# KiCad board KB-PCB-R02_KiCad.kicad_pcb (continued)
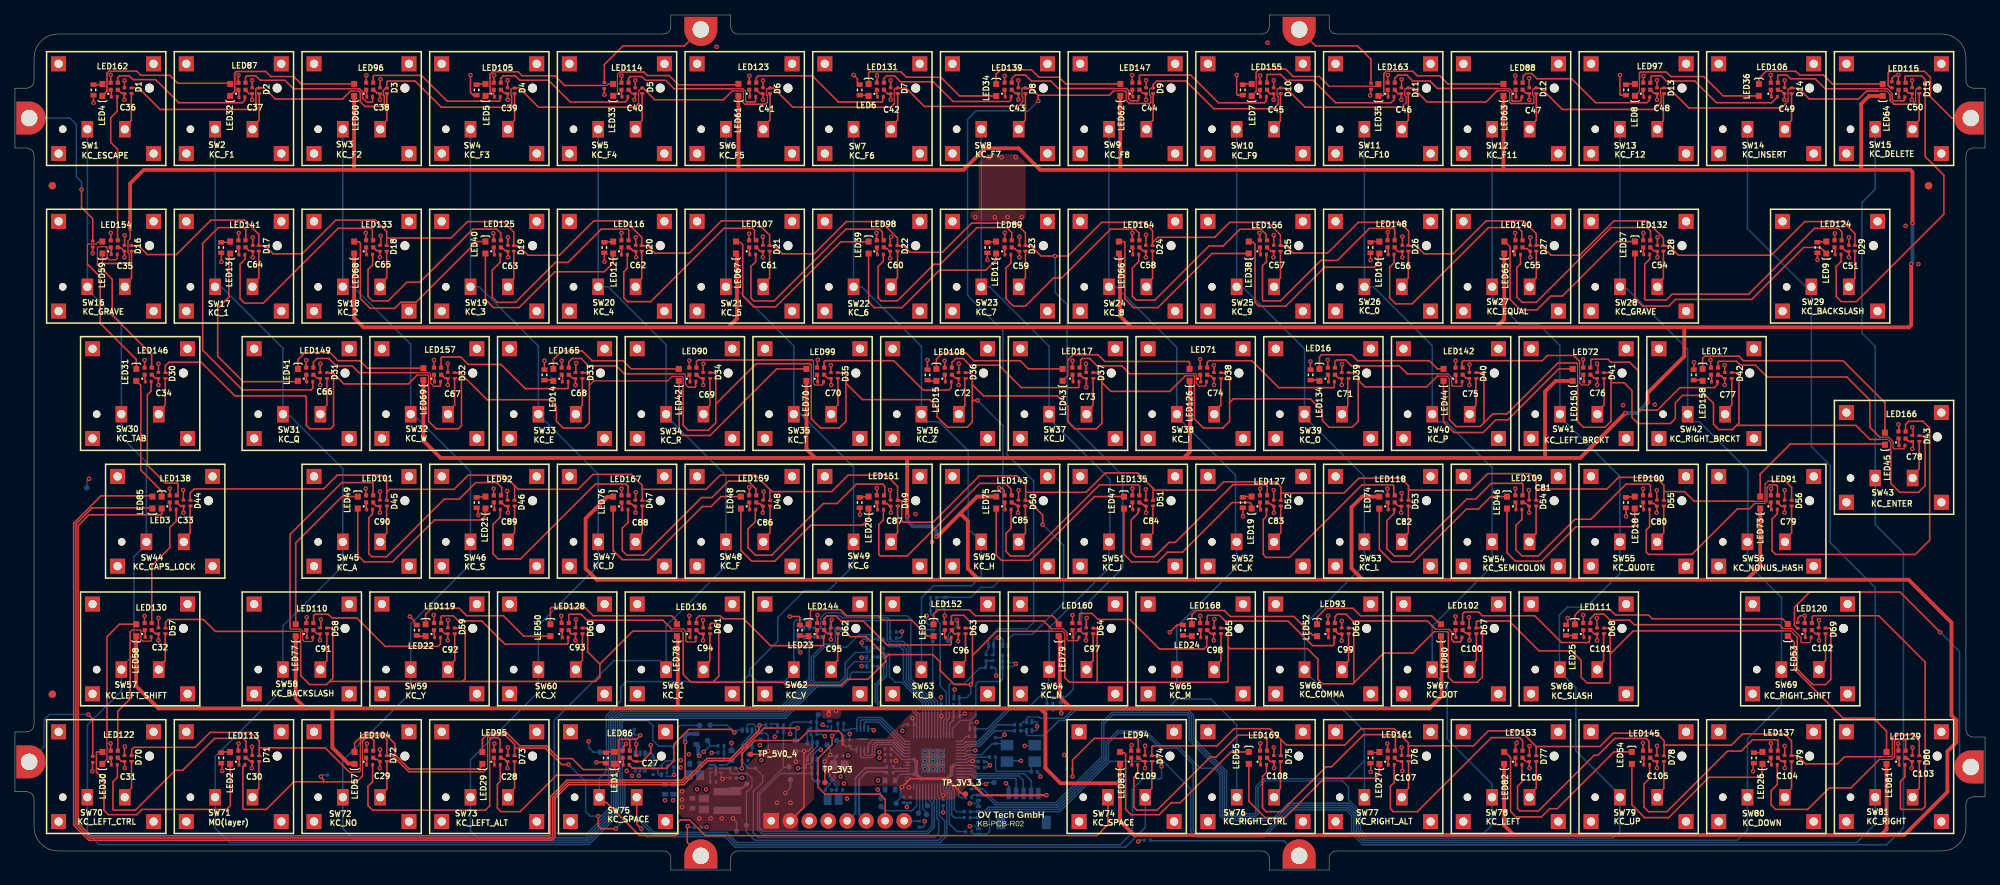
[diagram p0: board, top side]
## Routing (per net, layer and track width the routed paths; a pad name or vN(x,y) marks a point on that pad's centre or on a via; arc(x,y) is an arc through that point) (continued)
NetD82_1: length 216.5
  SIG_BOTTOM w0.2: SW2.1 SW17.1 26.86,77.89 27.72,77.89 35.83,69.77 SW31.1 36.08,60.71 36.79,60.71 43.83,53.67 SW45.1 43.83,40.66 35.83,32.66 SW58.1 35.83,24.24 26.76,15.17 SW71.1 26.76,5.63 28.69,3.71 76.6,3.71 80.96,8.07 80.96,11.74 80.57,12.13 80.57,20.05 81.12,20.61 102.91,20.61 107.13,24.83 110.41,24.83 111.31,25.72 111.31,26.91 112.26,27.87 114.17,27.87 114.6,28.29 D82.1 114.63,28.47 R148.1
NetD83_1: length 200.2
  SIG_BOTTOM w0.2: 115.36,29.65 D83.1 114.6,29.5 114.2,29.1 112.4,29.1 111,27.71 111,25.84 110.29,25.13 107.01,25.13 102.78,20.91 81,20.91 80.27,20.18 80.27,12.01 80.66,11.62 80.66,8.19 76.47,4.01 45.4,4.01 43.83,5.57 SW72.1 43.83,14.64 52.91,23.71 SW59.1 52.91,32.91 60.91,40.91 SW46.1 60.91,53.3 53.86,60.34 53.52,60.34 SW32.1 52.91,70.3 45.22,77.99 SW18.1 SW3.1
NetD84_1: length 184.7
  SIG_BOTTOM w0.2: SW4.1 SW19.1 62.08,77.99 69.98,70.08 69.98,60.68 70.65,60.01 70.93,60.01 77.98,52.96 SW47.1 77.98,40.72 69.98,32.72 SW60.1 69.98,23.8 60.91,14.73 SW73.1 60.91,5.24 61.84,4.31 76.35,4.31 80.36,8.32 80.36,11.49 79.97,11.89 79.97,20.3 80.87,21.21 102.66,21.21 106.8,25.35 106.8,28.41 108.19,29.81 111.2,29.81 112.85,31.46 114.38,31.46 114.5,31.34 114.5,30.98 D84.1 ; 114.61,30.87 R150.1
NetD85_1: length 177.1
  SIG_BOTTOM w0.2: 109.73,32.07 R151.1 ; 87.05,27.25 86.94,27.25 86.38,27.81 86.38,27.89 86.26,28.01 80.1,28.01 72.1,20.01 72.1,5.31 72.7,4.71 76.32,4.71 80.06,8.44 80.06,11.37 79.67,11.76 79.67,20.43 80.75,21.51 102.54,21.51 106.48,25.45 106.48,28.52 108.17,30.21 109.48,30.21 109.69,30.42 D85.1 ; 87.05,27.25 SW61.1 ; 87.05,27.25 87.05,32.66 95.05,40.66 SW48.1 95.05,52.75 87.85,59.96 87.73,59.96 87.05,60.63 SW34.1 87.05,70.25 79.32,77.99 SW20.1 SW5.1
NetD86_1: length 217.1
  SIG_TOP w0.2: SW75.1 78.13,9.71 78.8,9.03 79.09,9.03 83.51,4.61 88.35,4.61 88.62,4.88 88.62,6.33 89,6.71 90.2,6.71 92.3,4.61 144.66,4.61 146.13,6.08 SW74.1
  SIG_BOTTOM w0.2: 98.23,26.18 97.26,25.21 81.7,25.21 81,24.51 81,22.61 79.07,20.68 79.07,13.18 78.13,12.24 SW75.1 ; 98.23,26.18 99.18,25.22 102.92,25.22 103.45,25.76 103.45,26.14 SW62.1 104.13,33.09 104.49,33.46 106.07,33.46 106.18,33.34 D86.1 R152.1 ; 98.23,26.18 98.23,26.84 102,30.61 102,33.81 105.52,37.33 108.72,37.33 112.13,40.73 SW49.1 112.13,53.88 105.08,60.92 104.16,60.92 SW35.1 104.13,70.08 96.22,77.99 SW21.1 SW6.1
NetD87_1: length 91
  SIG_BOTTOM w0.2: 121.2,31.61 SW63.1 121.2,26.53 121.87,25.86 ; 121.2,31.61 121.71,32.12 D87.1 122.71,32.12 R153.1 ; 121.2,31.61 121.2,36.41 122.8,38.01 127.9,38.01 129.2,39.31 SW50.1 127.43,45.65 127.43,56.08 123.56,59.96 121.87,59.96 121.2,60.63 SW36.1 121.2,70.01 113.22,77.99 SW22.1 SW7.1
NetD88_1: length 98.9
  SIG_BOTTOM w0.2: R154.1 128.37,17.93 128.37,18.87 D88.1 130,18.89 132.81,21.71 135.5,21.71 138.2,24.41 138.2,26.74 SW64.1 138.27,32.38 146.27,40.38 SW51.1 ; SW8.1 SW23.1 130.32,77.99 138.27,70.03 SW37.1 138.93,60.3 138.93,59.72 146.41,52.24 146.41,43.92
NetD89_1: length 129
  SIG_BOTTOM w0.2: 155.35,22.85 159.92,22.85 163.35,19.42 SW76.1 ; 155.35,22.85 SW65.1 155.35,32.54 163.35,40.54 SW52.1 163.2,44.03 163.2,52.78 155.35,60.63 SW38.1 155.35,69.86 147.23,77.98 146.28,77.98 SW24.1 SW9.1 ; 155.35,22.85 154.15,21.66 141.63,21.66 140.28,20.31 137.1,20.31 136.94,20.46 135.44,20.46 135.32,20.35 135.32,19.9 D89.1 134.83,19.84 134.46,19.47 R155.1
NetD90_1: length 167.3
  SIG_BOTTOM w0.2: 180.42,14.64 178,12.22 166.99,12.22 165.9,11.13 165.9,7.62 165.78,7.51 162.12,7.51 162,7.62 162,13.21 157.6,17.61 157.6,20.71 156.95,21.36 141.75,21.36 140.4,20.01 139.6,20.01 137.58,17.99 135.38,17.99 135.26,18.1 D90.1 135.23,18.62 R156.1 ; 180.42,14.64 180.42,18.58 173.2,25.81 173.09,25.81 172.42,26.49 172.42,32.83 180.42,40.83 180.42,52.63 172.42,60.63 SW39.1 172.42,69.69 164.3,77.8 163.53,77.8 SW25.1 SW10.1 ; 180.42,14.64 SW77.1
NetD91_1: length 207.1
  SIG_BOTTOM w0.2: R157.1 127.88,10.84 128.81,10.84 D91.1 129.38,10.86 131.23,9.01 139.2,9.01 145.3,15.11 145.3,19.71 146.65,21.06 156.83,21.06 157.3,20.58 157.3,17.49 161.7,13.09 161.7,7.5 161.99,7.21 165.91,7.21 166.2,7.5 166.2,11.01 167.1,11.91 177.5,11.91 178.3,11.11 178.3,9.4 179.9,7.8 179.9,5.4 180.73,4.57 196.04,4.57 197.5,6.04 SW78.1 197.5,11.5 191.5,17.5 191.5,24.48 189.49,26.49 SW67.1 189.49,32.61 197.49,40.61 SW54.1 197.49,53.8 191.34,59.96 190.17,59.96 189.5,60.63 SW40.1 189.5,70.11 181.62,77.99 SW26.1 SW11.1
NetD92_1: length 220.8
  SIG_BOTTOM w0.2: 206.57,26.49 208.7,24.35 208.7,15.93 214.57,10.06 SW79.1 214.57,5.16 213.69,4.27 180.6,4.27 179.6,5.27 179.6,7.67 178.34,8.94 170.26,8.94 168.23,6.91 161.87,6.91 161.4,7.37 161.4,12.97 157,17.37 157,20.46 156.7,20.76 146.77,20.76 145.6,19.58 145.6,14.98 139.33,8.71 131.1,8.71 129.84,9.97 128.88,9.97 128.82,10.03 128.12,10.03 128,9.92 128,9.78 127.91,9.69 ; SW68.1 206.49,26.88 206.49,34.1 207.55,35.16 210.08,35.16 214.57,39.64 SW55.1 214.57,52.64 206.57,60.63 SW41.1 206.57,70.13 203.72,72.98 201.17,72.98 197.54,76.61 197.54,77.96 SW27.1 SW12.1
NetD93_1: length 228.2
  SIG_BOTTOM w0.2: R159.1 128.82,7.81 ; D93.1 129.57,7.82 130.16,8.41 139.45,8.41 145.9,14.86 145.9,17.11 147.4,18.61 151.22,18.61 153.22,16.61 155.5,16.61 158.48,13.62 160.32,13.62 161.1,12.84 161.1,7.25 161.74,6.61 168.35,6.61 170.39,8.64 178.21,8.64 179.3,7.55 179.3,5.15 180.48,3.97 230.27,3.97 231.64,5.35 SW80.1 231.64,17.55 236.18,22.09 SW69.1 236.18,36.42 231.64,40.96 SW56.1 231.68,43.92 231.68,53.49 225.22,59.96 224.32,59.96 223.64,60.63 SW42.1 223.64,69.62 215.55,77.72 214.85,77.72 SW28.1 SW13.1
NetD94_1: length 244
  SIG_BOTTOM w0.2: 127.9,7 D94.1 128.92,7.09 129.31,7.09 130.32,8.11 139.57,8.11 146.2,14.73 146.2,16.98 147.52,18.31 151.1,18.31 153.1,16.31 155.38,16.31 157.54,14.14 157.54,5.27 158.1,4.71 166.88,4.71 170.51,8.34 178.09,8.34 179,7.43 179,5.03 180.36,3.67 246.25,3.67 248.72,6.14 SW81.1 248.72,37.79 242.7,43.81 242.7,54.11 240.18,56.62 SW29.1 239.99,78.18 239.22,78.18 234.4,83.01 231.64,85.76 SW14.1
NetD95_1: length 240
  SIG_BOTTOM w0.2: SW15.1 248.72,91.02 246.95,89.26 246.95,71.8 248.72,70.03 SW43.1 248.72,46.19 252.5,42.41 252.5,5.64 250.23,3.37 180.23,3.37 178.7,4.9 178.7,7.3 177.96,8.04 170.64,8.04 167,4.41 157.98,4.41 157.2,5.18 157.2,10.85 153.5,14.54 146.43,14.54 139.7,7.81 130.44,7.81 130.29,7.65 130.29,5.12 129.96,4.79 D95.1 128.22,4.79 127.92,5.09 R161.1
NetLED1_1: length 22.4
  SIG_TOP w0.2: LED1.1 80.13,13.56 80.01,13.44 75.96,13.44 74.5,14.91 72.76,14.91 71.06,16.61 67.5,16.61 65.8,18.31 63.29,18.31 62.5,17.51 62.5,15.81
NetLED1_2: length 1.2
  SIG_TOP w0.2: 79,15.81 80.2,15.81
NetLED2_1: length 32.2
  SIG_TOP w0.2: 11.7,15.81 11.02,15.81 10.9,15.69 10.9,13.11 11.9,12.11 11.9,8.01 12.5,7.41 16.3,7.41 17,8.11 28.3,8.11 28.8,8.61 28.8,14.21
NetLED2_2: length 1.3
  SIG_TOP w0.2: 28.98,15.78 28.95,15.81 27.7,15.81
NetLED3_1: length 16.9
  SIG_TOP w0.2: LED31.2 16.82,64.81 16.82,53.47 19.62,50.68 LED3.1
NetLED3_2: length 147.5
  SIG_TOP w0.2: v1(89.6,17.11) 89.6,12.43 89.19,12.02 73.8,12.02 71.6,9.81 71.6,4.7 71.48,4.58 10.13,4.58 8.45,6.27 8.45,46.05 9.9,47.51 19.5,47.51 19.62,47.62 19.62,47.69 19.62,47.69 LED3.2
  SIG_BOTTOM w0.5: 89.6,17.13 89.6,17.91 89.89,18.21 R24.1
NetLED4_1: length 20.6
  SIG_TOP w0.2: 28.76,105.12 28.67,105.21 21.76,105.21 20.7,106.27 16.84,106.27 16.28,106.83 12.6,106.83 12.3,106.53 12.3,104.14 12,103.84 12,103.82 11.7,103.52
NetLED4_2: length 1.2
  SIG_TOP w0.2: R25.1 11.57,105.02 11.67,105.12
NetLED5_1: length 20.7
  SIG_TOP w0.15: 78.39,104.91 79.12,104.91 79.33,105.12
  SIG_TOP w0.2: 78.39,104.91 73.49,104.91 72.2,106.21 67.8,106.21 67.25,106.75 63.86,106.75 63.52,106.4 63.52,105.9 63.53,105.89 63.53,103.93 63.41,103.82 63.21,103.82 LED5.1 ; 79.33,105.12 LED33.2
NetLED5_2: length 1
  SIG_TOP w0.2: 61.9,105.11 62.8,105.11 62.9,105.21
NetLED6_1: length 20
  SIG_TOP w0.2: LED6.1 114.13,106.63 114.25,106.75 118.45,106.75 119.19,106.01 123.8,106.01 126.3,103.51 LED34.2
NetLED6_2: length 1.2
  SIG_TOP w0.2: LED6.2 114.03,103.62 R27.1
NetLED7_1: length 20.8
  SIG_TOP w0.15: 165.65,103.82 165.96,104.12 165.96,105.89 ; 182.15,104.96 182,104.81 175.7,104.81
  SIG_TOP w0.2: 165.95,105.9 165.95,105.9 165.95,106.65 166.4,107.11 169.9,107.11 170.9,106.11 174.4,106.11 175.7,104.81 ; LED7.1 165.65,103.82
NetLED7_2: length 1.1
  SIG_TOP w0.2: 164.2,105.11 165.2,105.11 165.3,105.21
NetLED8_1: length 20.7
  SIG_TOP w0.15: 217.2,105.9 217.2,104.12 LED8.1
  SIG_TOP w0.2: LED36.2 228.39,103.52 225.8,106.11 221.4,106.11 220.8,106.71 217.32,106.71 217.2,106.59 217.2,105.9
NetLED8_2: length 1.1
  SIG_TOP w0.2: 215.5,105.11 216.5,105.11 216.6,105.21
NetLED9_1: length 35.6
  SIG_TOP w0.2: LED9.1 241.38,83.25 239.14,83.25 232.2,76.31 222,76.31 221.1,75.41 217.6,75.41 216.6,76.41 LED37.2
NetLED9_2: length 1
  SIG_TOP w0.2: 241.95,84.11 241.85,84.01 240.99,84.01
NetLED10_1: length 29.3
  SIG_TOP w0.2: 182.27,82.59 182.27,81.12 181.76,80.61 175.1,80.61 169.9,75.41 166.3,75.41 165.8,75.91 165.8,83.69 165.54,83.94 165.06,83.94 LED38.2
NetLED10_2: length 1.1
  SIG_TOP w0.2: 182.27,84.04 181.34,84.04 R31.1
NetLED11_1: length 27.3
  SIG_TOP w0.2: 131.17,82.39 131.17,81.58 129.8,80.21 123.6,80.21 118.6,75.21 114.9,75.21 114.13,75.97 LED39.2
NetLED11_2: length 1.2
  SIG_TOP w0.2: 131.17,83.99 131.16,84.01 130.01,84.01
NetLED12_1: length 27.4
  SIG_TOP w0.2: LED12.1 79.98,81.19 78.8,80.01 72.2,80.01 67.4,75.21 64,75.21 62.91,76.3 LED40.2
NetLED12_2: length 1
  SIG_TOP w0.2: 78.8,84.01 79.7,84.01 79.8,84.11
NetLED13_1: length 26.6
  SIG_TOP w0.2: LED41.2 37.73,65.31 30.5,65.31 27.1,68.71 27.1,75.11 28.6,76.61 28.6,82.27 LED13.1
NetLED13_2: length 1.1
  SIG_TOP w0.2: 28.6,84.01 28.54,83.94 R34.1
NetLED14_1: length 19.5
  SIG_TOP w0.2: LED14.1 71.98,68.29 73.1,69.41 75.85,69.41 77.15,68.11 81.3,68.11 82.39,67.01 LED42.2
NetLED14_2: length 1.2
  SIG_TOP w0.2: R35.1 71.88,65.51 LED14.2
NetLED15_1: length 19.4
  SIG_TOP w0.2: LED15.1 123.2,68.31 124,69.11 127.2,69.11 128.2,68.11 134.4,68.11 135.49,67.01 LED43.2
NetLED15_2: length 1.2
  SIG_TOP w0.2: R36.1 122.11,65.41 LED15.2
NetLED16_1: length 19.3
  SIG_TOP w0.2: 191.2,67.01 190.19,67.01 189.1,68.11 179.5,68.11 178.7,68.91 174.7,68.91 174.42,68.63 LED16.1
NetLED16_2: length 1.2
  SIG_TOP w0.2: R37.1 174.32,65.51 LED16.2
NetLED17_1: length 32.5
  SIG_TOP w0.2: LED17.1 225.64,68.45 225.9,68.71 230.5,68.71 231.1,68.11 244.4,68.11 250.02,62.49 LED45.2
NetLED17_2: length 1.2
  SIG_TOP w0.2: LED17.2 225.54,65.51 R38.1
NetLED18_1: length 27.6
  SIG_TOP w0.2: LED18.1 216.57,46.21 216.26,45.91 208.7,45.91 204.1,41.31 200.6,41.31 199.49,42.41 LED46.2
NetLED18_2: length 1.1
  SIG_TOP w0.2: 215.4,49.91 216.41,49.91 216.49,49.99
NetLED19_1: length 27.5
  SIG_TOP w0.2: LED47.2 148.27,42.23 149.3,41.21 152.8,41.21 154.1,42.51 156.1,42.51 162.73,49.14 165.1,49.14 165.31,48.92 165.31,48.37 LED19.1
NetLED19_2: length 1.2
  SIG_TOP w0.2: LED19.2 164.26,49.94 R40.1
NetLED20_1: length 27.1
  SIG_TOP w0.2: LED48.2 97.05,42.75 98.5,41.31 101.6,41.31 106.4,46.11 113.3,46.11 114.2,47.01 114.2,48.27 LED20.1
NetLED20_2: length 1.2
  SIG_TOP w0.2: LED20.2 114.07,49.89 112.98,49.89
NetLED21_1: length 27.2
  SIG_TOP w0.2: LED49.2 45.83,42.07 46.7,41.21 50.5,41.21 56.1,46.81 62.3,46.81 62.91,47.41 LED21.1
NetLED21_2: length 1.1
  SIG_TOP w0.2: 62,49.91 63,49.91 63.1,50.01
NetLED22_1: length 19.9
  SIG_TOP w0.2: LED22.1 54.9,34.21 55.7,35.01 59.4,35.01 60.4,34.01 65.3,34.01 68.04,31.27 LED50.2
NetLED22_2: length 1.2
  SIG_TOP w0.2: LED22.2 53.82,31.27 R43.1
NetLED23_1: length 19.9
  SIG_TOP w0.2: LED23.1 106.36,33.13 106.36,34.69 106.48,34.81 110.4,34.81 111.2,34.01 115.4,34.01 116,33.41 119.9,33.41 122.04,31.27 LED51.2
NetLED23_2: length 1.2
  SIG_TOP w0.2: R44.1 105.04,31.27 LED23.2
NetLED24_1: length 19.7
  SIG_TOP w0.2: LED52.2 173.98,31.39 173.52,31.39 171,33.91 162.5,33.91 161.7,34.71 157.9,34.71 157.35,34.15 LED24.1
NetLED24_2: length 1.2
  SIG_TOP w0.2: LED24.2 156.26,31.27 R45.1
NetLED25_1: length 30.8
  SIG_TOP w0.2: LED53.2 236.32,33.61 218.9,33.61 218.4,34.11 214,34.11 213.3,34.81 209.3,34.81 208.57,34.07 LED25.1
NetLED25_2: length 1.2
  SIG_TOP w0.2: LED25.2 208.47,31.37 R46.1
NetLED26_1: length 27.4
  SIG_TOP w0.2: 233.6,14.31 233.6,12.91 233.1,12.41 226.5,12.41 221.1,7.01 217.9,7.01 216.18,8.72 LED54.2
NetLED26_2: length 1.1
  SIG_TOP w0.2: R47.1 233.5,15.69 233.6,15.79
NetLED27_1: length 27.1
  SIG_TOP w0.2: LED27.1 182.42,12.84 181.86,12.28 175.07,12.28 169.8,7.01 167.15,7.01 164.96,9.2 LED55.2
NetLED27_2: length 1.2
  SIG_TOP w0.2: 182.3,15.91 182.3,15.87 182.12,15.69 R48.1
NetLED29_1: length 22.1
  SIG_TOP w0.2: LED29.1 62.25,13.94 62.25,13.62 62.13,13.51 52.73,13.51 50.8,15.44 50.8,16.89 49.43,18.26 46.65,18.26 45.4,17.01 LED57.2
NetLED30_1: length 21.5
  SIG_TOP w0.15: 11.7,14.21 12.3,14.81 12.3,17.71
  SIG_TOP w0.2: 12.3,17.71 12.3,31.21 13.97,32.87 15.9,32.87
NetLED31_1: length 21.5
  SIG_TOP w0.15: 11.61,83.97 11.1,83.97 10.85,83.71 9.8,83.71 9.69,83.59 9.69,81.02
  SIG_TOP w0.2: LED31.1 16.22,68.28 11.4,73.11 11.4,79.31 9.69,81.02 ; 11.61,83.97 LED59.2
NetLED32_1: length 20.1
  SIG_TOP w0.2: LED32.1 29.4,104.14 29.4,105.87 29.37,105.9 29.37,106.56 29.59,106.78 33.53,106.78 34.2,106.11 37.27,106.11 38.26,105.12 LED60.2
NetLED33_1: length 20
  SIG_TOP w0.15: LED33.1 80.19,103.73 80.55,103.73 80.55,106.37 80.83,106.65
  SIG_TOP w0.2: 80.83,106.65 80.89,106.71 84.1,106.71 84.57,106.24 87.47,106.24 88.7,105.01 96.4,105.01
NetLED34_1: length 18.9
  SIG_TOP w0.2: LED62.2 140.49,105.12 139.6,106.01 136.9,106.01 135.9,107.01 131.8,107.01 131.2,106.41 LED34.1
NetLED35_1: length 20.4
  SIG_TOP w0.2: LED63.2 191.59,105.12 190.5,106.21 187.5,106.21 186.89,106.81 183.35,106.81 183.02,106.48 183.02,103.7 182.88,103.57 182.36,103.57 LED35.1
NetLED36_1: length 18.4
  SIG_TOP w0.2: 249.41,105.12 242.99,105.12 241.8,106.31 238.6,106.31 238.1,106.81 234.12,106.81 233.16,105.84 LED36.1 ; 249.41,105.08 249.72,105.08
NetLED37_1: length 29.2
  SIG_TOP w0.2: 199.13,84.14 199.9,83.37 199.9,76.31 201.3,74.91 203.5,74.91 205.35,76.76 206.91,76.76 214.2,84.04 LED37.1
NetLED38_1: length 28.4
  SIG_TOP w0.2: LED66.2 148.26,84.04 148.4,83.91 148.4,76.38 149.58,75.21 152.8,75.21 160.04,82.44 LED38.1
NetLED39_1: length 29
  SIG_TOP w0.2: LED39.1 114.09,84 110.4,84 101.7,75.31 98.8,75.31 97.3,76.81 97.3,83.61 96.98,83.92 96.52,83.92 LED67.2
NetLED40_1: length 29.2
  SIG_TOP w0.2: 45.45,84.14 45.59,84 46.03,84 46.18,83.84 46.18,76.42 47.5,75.11 50.77,75.11 51.6,75.94 53.63,75.94 61.74,84.04 LED40.1
NetLED41_1: length 19.2
  SIG_TOP w0.2: LED41.1 37.83,68.24 38.8,69.21 42.1,69.21 43.2,68.11 46.12,68.11 47.12,67.11 54.52,67.11
NetLED42_1: length 27.8
  SIG_TOP w0.2: 88.8,65.41 88.8,58.61 89.3,58.11 92.92,58.11 101.82,67.01 105.9,67.01
NetLED43_1: length 20.9
  SIG_TOP w0.15: 140.78,68.2 140.78,66.12 LED43.1
  SIG_TOP w0.2: LED71.2 157.05,67.89 156.93,68.01 145.7,68.01 144.8,68.91 141.48,68.91 140.78,68.2
NetLED44_1: length 26.6
  SIG_TOP w0.2: LED72.2 206.41,67.01 199.6,60.21 198,60.21 196.3,58.51 192.4,58.51 191,59.91 191,65.11 191.04,65.15
NetLED45_1: length 21.7
  SIG_TOP w0.2: 250.33,56.97 237.37,56.97 233.34,52.95 LED73.2
NetLED46_1: length 26.8
  SIG_TOP w0.2: LED46.1 197.33,49.94 195.66,48.27 194.06,48.27 187,41.21 184.1,41.21 182.42,42.89 LED74.2
NetLED47_1: length 27.2
  SIG_TOP w0.2: 131.2,48.45 131.2,42.11 131.9,41.41 135.8,41.41 144.33,49.94 LED47.1
NetLED48_1: length 26.7
  SIG_TOP w0.2: LED48.1 94.39,49.94 93.05,48.61 91.9,48.61 84.8,41.51 81.2,41.51 79.98,42.73 LED76.2
NetLED49_1: length 21.7
  SIG_TOP w0.2: LED49.1 43.73,49.94 37.53,43.74 LED77.2
NetLED50_1: length 20.3
  SIG_TOP w0.2: LED78.2 88.36,33.01 88.36,33.45 87.8,34.01 77.3,34.01 76.2,35.11 71.71,35.11 71.59,34.99 LED50.1
NetLED51_1: length 19.3
  SIG_TOP w0.2: LED51.1 122.81,34.22 123.4,34.81 127.6,34.81 128.4,34 138.7,34 139.28,33.43 139.28,33.13 LED79.2
NetLED52_1: length 18.8
  SIG_TOP w0.2: LED52.1 174.1,33.81 175.3,35.01 178.9,35.01 179.9,34.01 189.4,34.01 190.24,33.17 190.44,33.17 190.66,32.95
NetLED53_1: length 23.4
  SIG_TOP w0.2: LED53.1 237.9,30.43 237.9,26.83 244.42,20.31 248.51,20.31 250.23,18.58 LED81.2
NetLED54_1: length 28.5
  SIG_TOP w0.2: LED54.1 216.17,15.81 213.8,15.81 206.2,8.21 205.2,8.21 204.1,7.11 200.7,7.11 199.97,7.84 199.97,15.03 199.11,15.89
NetLED55_1: length 28.5
  SIG_TOP w0.2: LED83.2 147.84,15.69 148.32,15.69 148.5,15.52 148.5,8.11 149.2,7.41 153,7.41 154.6,9.01 155.8,9.01 162.59,15.79 LED55.1
NetLED57_1: length 1471.1
  SIG_TOP w0.15: 15.4,84.42 15.11,84.13 15.11,82.55 15.28,82.38 15.28,81.22
  SIG_TOP w0.2: 15.4,84.42 15.4,85.71 ; 11.7,82.44 11.7,81.22 11.82,81.11 15.17,81.11 15.28,81.22
  SIG_TOP w0.5: 128.89,38.82 127.4,40.31 127.4,46.68 126.39,47.68 ; 128.89,38.82 180.23,38.82 ; 128.89,38.82 77.79,38.82 76.3,40.31 76.3,47.01 79.18,49.88 79.92,49.88 LED76.1 ; 180.23,38.82 231.54,38.82 ; 180.23,38.82 178.7,40.35 178.7,48.51 180.13,49.94 LED74.1 ; 231.54,38.82 253.19,38.82 258.92,33.09 258.92,20.69 259.58,20.03 259.58,17.08 258.37,15.88 258.37,10.45 252.63,4.7 249.49,4.7 ; 231.54,38.82 233.34,40.63 LED73.1 ; LED79.1 139.69,31.12 139.69,23.16 141.23,21.61 ; v1(253.7,86.51) 253.7,93.34 253.41,93.63 246.84,93.63 ; 204.57,55.11 209.3,55.11 v1(215.3,61.11) ; 204.57,55.11 156.27,55.11 ; 204.57,55.11 204.57,63.98 206.01,65.41 LED72.1 ; 156.27,55.11 157.1,55.93 157.1,65.31 ; 156.27,55.11 119.3,55.11 ; v1(108.8,20.81) 108.8,21.61 ; 108.8,21.61 137.07,21.61 ; 108.8,21.61 88.62,21.61 ; 199.02,93.63 246.84,93.63 ; 199.02,93.63 LED63.1 ; 199.02,93.63 147.79,93.63 ; 246.84,93.63 246.84,102.45 247.91,103.52 LED64.1 ; LED75.1 128.65,49.94 126.39,47.68 ; 45.35,93.63 96.73,93.63 ; 45.35,93.63 17.23,93.63 15.4,91.81 15.4,85.71 ; 45.35,93.63 LED60.1 ; 96.73,93.63 LED61.1 ; 96.73,93.63 126.83,93.63 129.7,96.51 134.2,96.51 137.07,93.63 147.79,93.63 ; 190.73,31.28 190.73,23.25 189.1,21.61 141.23,21.61 ; 45.88,73.29 45.35,73.83 LED68.1 ; 16.2,31.24 16.2,24.61 19.19,21.61 38.86,21.61 ; 147.74,11.61 139.8,11.61 137.78,13.62 137.78,20.9 137.07,21.61 ; 147.74,11.61 LED83.1 ; 147.74,11.61 147.74,6.57 149.61,4.7 200.4,4.7 ; 141.23,21.61 137.07,21.61 ; 95.37,72.57 149.27,72.57 ; 95.37,72.57 96.54,73.74 96.54,82.31 LED67.1 ; 95.37,72.57 46.61,72.57 46.03,73.14 ; 149.27,72.57 147.75,74.1 147.75,82 147.75,82 147.75,82.29 LED66.1 ; 149.27,72.57 198.05,72.57 ; 42.44,21.61 42.44,16.38 44.58,14.24 45.36,14.24 LED57.1 ; 42.44,21.61 38.86,21.61 ; 42.44,21.61 88.62,21.61 ; LED77.1 37.53,22.94 38.86,21.61 ; 107,55.11 119.3,55.11 ; 107,55.11 105.83,56.28 LED70.1 ; 107,55.11 56.92,55.11 54.61,57.42 LED69.1 ; 119.3,55.11 v1(119.3,47.31) ; 123.28,44.57 126.39,47.68 ; 198.05,72.57 223.2,72.57 ; 198.05,72.57 199.13,73.65 LED65.1 ; 223.2,72.57 253.24,72.57 253.53,72.86 v1(253.53,81.03) ; 223.2,72.57 223.2,68.71 218.28,63.79 v1(218.28,62.53) ; LED78.1 88.63,31.14 88.63,21.62 88.62,21.61 ; 249.49,4.7 250.23,5.44 LED81.1 ; 249.49,4.7 200.4,4.7 ; 147.79,93.63 LED62.1 ; LED82.1 199.11,5.99 200.4,4.7
  SIG_BOTTOM w0.5: v1(123.18,44.6) 123.18,45.38 122.61,45.96 120.04,45.96 119.32,46.68 119.32,47.29 v1(119.3,47.31) ; v1(253.7,86.51) 253.7,81.23 253.53,81.06 v1(253.53,81.03) ; v1(215.3,61.11) 216.88,61.11 218.28,62.5 v1(218.28,62.53)
  vias: v1(109.8,21.31)
NetLED85_1: length 154.1
  SIG_TOP w0.2: v1(99.55,19.35) 99.5,19.3 99.5,18.74 95.69,14.93 92.53,14.93 89.31,11.72 73.93,11.72 71.9,9.69 71.9,4.54 71.65,4.28 10.01,4.28 8.15,6.14 8.15,46.25 10.33,48.44 18.53,48.44
  SIG_BOTTOM w0.2: v1(99.55,19.35) 99.56,19.35 100.44,19.35 100.45,19.34
NetLED85_2: length 161.2
  SIG_TOP w0.2: 18.53,50.04 11.5,50.04 7.85,46.38 7.85,6.02 9.88,3.98 71.77,3.98 72.2,4.41 72.2,9.57 74.05,11.42 89.44,11.42 92.65,14.63 95.82,14.63 100.17,18.98 v1(104.62,18.98)
  SIG_BOTTOM w0.2: R54.1 104.4,18.65 104.62,18.87 v1(104.62,18.98)
NetLED86_1: length 0.8
  SIG_TOP w0.2: 81.33,14.09 81.33,14.93
NetLED86_3: length 35
  SIG_TOP w0.15: 80.19,12.7 80.74,13.25 80.74,17.38
  SIG_TOP w0.2: v1(83.6,18.01) 83.08,17.48 82.01,17.48 ; R67.2 64.89,11.86 64.5,11.47 64.5,8.31 65,7.81 67.54,7.81 72.43,12.7 80.19,12.7 ; 82.01,17.48 82.2,17.29 82.2,16.62 82.19,16.61 LED86.3 ; 82.01,17.48 80.85,17.48 80.74,17.38
  SIG_BOTTOM w0.2: v1(83.6,18.01) 83,18.01 82.8,18.21 TP_RGB_LED_OUT1.TP
NetLED87_1: length 1
  SIG_TOP w0.2: LED87.1 29.95,104.25 R139.1
NetLED87_3: length 20.4
  SIG_TOP w0.15: 44.75,104.47 46.03,104.47
  SIG_TOP w0.2: R68.2 47.82,102.79 47.7,102.67 47.05,102.67 46.48,103.25 46.48,104.06 46.07,104.47 46.03,104.47 ; 44.75,104.47 37.23,104.47 36.46,105.24 36.1,105.61 32.8,105.61 32.2,106.21 31,106.21 30.83,106.03 30.83,105.29 LED87.3
NetLED88_1: length 0.9
  SIG_TOP w0.2: 200.7,104.25 200.69,104.23 200.69,103.38 200.67,103.37
NetLED88_3: length 20.1
  SIG_TOP w0.2: R69.2 218.53,103.31 218.53,102.94 218.2,102.61 211.33,102.61 208.13,105.81 203.5,105.81 202.8,106.51 202,106.51 201.65,106.16 201.65,105.28
NetLED89_1: length 0.9
  SIG_TOP w0.2: 132.33,83.13 132.34,83.11 132.34,82.31 R141.1
NetLED89_3: length 29.6
  SIG_TOP w0.2: 133.27,84.08 133.27,85.23 132.6,85.91 128.62,85.91 123.72,81.01 122.88,81.01 117.98,76.11 115.8,76.11 115.4,76.51 115.4,80.71 116.1,81.41 R70.2
NetLED90_1: length 0.9
  SIG_TOP w0.2: 90.33,66.13 90.25,66.05 R142.1
NetLED90_3: length 21.4
  SIG_TOP w0.15: 108.02,65.21 108.02,64.97 107.9,64.86 106.94,64.86 106.77,65.03 106.77,66.82 ; 106.77,67.54 106.77,68.05 106.61,68.21 ; 106.77,66.82 106.77,67.54
  SIG_TOP w0.2: LED90.3 91.12,68.02 91.3,68.21 106.61,68.21 ; 108.02,65.21 R71.2
NetLED91_1: length 0.9
  SIG_TOP w0.2: 234.79,48.22 234.79,49.08 234.76,49.11
NetLED91_3: length 29.9
  SIG_TOP w0.15: 232.62,49.02 233.96,49.02 234.26,49.32 234.26,51.17 234.59,51.51
  SIG_TOP w0.2: 235.66,50.06 235.66,51.35 235.5,51.51 234.59,51.51 ; 232.62,49.02 231.9,48.31 230.3,48.31 224.2,42.21 218.4,42.21 218.1,42.5 218.1,45.47 218.55,45.92 R72.2
NetLED92_1: length 1
  SIG_TOP w0.2: 64.1,48.21 64.1,49.05 64.02,49.13
NetLED92_3: length 29.5
  SIG_TOP w0.2: 47.79,48.21 47.79,47.6 47.3,47.11 47.3,42.31 47.7,41.91 49.7,41.91 57.4,49.61 59.4,49.61 61.6,51.81 64.41,51.81 65.07,51.14 65.07,50.08
NetLED93_1: length 0.9
  SIG_TOP w0.2: LED93.1 175.61,32 175.61,31.21
NetLED93_3: length 20.6
  SIG_TOP w0.15: 189.96,32.18 191.72,32.18
  SIG_TOP w0.2: 193.47,31.15 193.39,31.07 193.39,30.62 193.27,30.51 192.39,30.51 192.1,30.8 192.1,31.81 191.72,32.18 ; LED93.3 176.48,33.89 176.8,34.21 177.98,34.21 178.88,33.31 188.84,33.31 189.96,32.18
NetLED94_1: length 0.9
  SIG_TOP w0.2: 149.32,14.11 149.32,14.85 149.24,14.93
NetLED94_3: length 14.9
  SIG_TOP w0.2: v1(141.4,12.51) 141.4,14.71 144.3,17.61 150.08,17.61 150.19,17.49 150.19,15.88
  SIG_BOTTOM w0.2: R62.2 141.4,13.5 141.4,12.51 v1(141.4,12.51)
NetLED95_1: length 0.9
  SIG_TOP w0.2: 64.1,14.11 64.1,14.85 64.02,14.93
NetLED95_3: length 34.6
  SIG_TOP w0.15: 63.47,13.65 63.47,17.59
  SIG_TOP w0.2: 63.47,13.65 63.47,8.58 62.9,8.01 47.8,8.01 47.2,8.61 47.2,11.21 47.82,11.83 47.82,14.11 ; 64.87,15.88 64.87,17.43 64.6,17.71 63.59,17.71 63.47,17.59
NetLED96_1: length 1
  SIG_TOP w0.2: R68.1 47.03,104.25 LED96.1
NetLED96_3: length 19.8
  SIG_TOP w0.2: LED96.3 47.9,106.14 48.02,106.26 54.35,106.26 57.8,102.81 64.77,102.81 64.89,102.92 R76.2
NetLED97_1: length 1
  SIG_TOP w0.2: 217.7,104.33 217.7,103.43 R69.1
NetLED97_3: length 19.6
  SIG_TOP w0.2: 218.66,105.28 218.73,105.35 218.73,106.09 218.85,106.21 220.1,106.21 220.8,105.51 224.6,105.51 227.5,102.61 234.88,102.61 235.63,103.36 R77.2
NetLED98_1: length 1
  SIG_TOP w0.2: LED98.1 115.27,83.22 115.27,82.35 R70.1
NetLED98_3: length 29.2
  SIG_TOP w0.2: 115.98,84.03 115.98,85.33 115.6,85.71 111.1,85.71 101.5,76.11 98.8,76.11 98.4,76.51 98.4,80.71 99.04,81.34 R78.2
NetLED99_1: length 1
  SIG_TOP w0.2: LED99.1 107.32,66.15 R71.1
NetLED99_3: length 20.5
  SIG_TOP w0.2: R79.2 125.18,64.49 124.87,64.18 121.43,64.18 117.5,68.11 108.29,68.11 108.17,67.99 108.17,67.08
NetLED100_1: length 0.8
  SIG_TOP w0.2: 217.73,49.03 217.73,48.24 R72.1
NetLED100_3: length 29.6
  SIG_TOP w0.2: 218.67,49.98 218.67,51.43 218.5,51.61 215.4,51.61 210.7,46.91 208.58,46.91 203.68,42.01 201.5,42.01 200.67,42.84 200.67,46.07 201.48,46.88 R80.2
NetLED101_1: length 0.9
  SIG_TOP w0.2: 46.93,49.03 46.97,48.99 46.97,48.25 47,48.21
NetLED101_3: length 33.2
  SIG_TOP w0.15: R81.2 39.82,30.68 39.7,30.56 38.68,30.56 38.47,30.78 38.47,31.94 38.19,32.21 36.9,32.21 36.79,32.33
  SIG_TOP w0.2: 47.87,49.98 47.87,51.69 47.76,51.81 43.7,51.81 36.79,44.89 36.79,32.33
NetLED102_1: length 0.9
  SIG_TOP w0.2: 192.61,31.18 LED102.1
NetLED102_3: length 20.7
  SIG_TOP w0.2: LED102.3 193.56,34.26 193.8,34.51 195.7,34.51 196.2,34.01 203.2,34.01 206.78,30.42 210.4,30.42 210.52,30.54 210.52,31.17
NetLED104_1: length 1
  SIG_TOP w0.2: R75.1 47.03,14.93 LED104.1
NetLED104_3: length 33.7
  SIG_TOP w0.15: 46.47,12.58 46.47,17.23
  SIG_TOP w0.2: R83.2 30.74,14.03 30.65,13.94 30.6,13.94 30.47,13.81 30.47,8.22 30.59,8.11 33.6,8.11 37.29,11.8 41.26,11.8 ; 48,15.86 48,17.31 47.65,17.66 46.9,17.66 46.47,17.23 ; 41.26,11.8 45.69,11.8 46.47,12.58 ; 41.26,11.8 41.26,12.08 40.9,12.44 v1(40.9,12.51)
  SIG_BOTTOM w0.2: v1(40.9,12.51) 41.01,12.51 41.21,12.71 TP_RGB_LED_OUT2.TP
NetLED105_1: length 0.9
  SIG_TOP w0.2: R76.1 64.01,103.49 64.01,103.71 63.98,103.74 63.98,104.19 64.03,104.23
NetLED105_3: length 19.7
  SIG_TOP w0.2: 64.97,105.18 64.97,105.88 65.3,106.21 66.9,106.21 67.5,105.61 71.32,105.61 74.23,102.7 81.59,102.7 81.9,103.01 81.9,103.35 81.92,103.37
NetLED106_1: length 1
  SIG_TOP w0.2: LED106.1 234.84,104.25 R77.1
NetLED106_3: length 20.3
  SIG_TOP w0.15: 251,103.66 251,103.83 250.35,104.48 248.98,104.48
  SIG_TOP w0.2: 251,103.66 251,103.04 251.19,102.85 252.5,102.85 252.62,102.97 252.62,103.29 R85.2 ; 248.98,104.48 242.03,104.48 240.7,105.81 237.4,105.81 236.9,106.31 235.79,106.31 235.67,106.19 235.67,105.25
NetLED107_1: length 1
  SIG_TOP w0.2: R78.1 98.21,82.35 98.21,83.22 LED107.1
NetLED107_3: length 29.3
  SIG_TOP w0.2: 98.87,84.08 98.87,85.53 98.59,85.81 94.81,85.81 85,76.01 81.9,76.01 81.4,76.51 81.4,80.01 81.88,80.48 R86.2
NetLED108_1: length 1
  SIG_TOP w0.2: LED108.1 124.39,66.15 R79.1
NetLED108_3: length 20.2
  SIG_TOP w0.2: LED108.3 125.26,67.87 125.8,68.41 126.78,68.41 127.68,67.51 131.56,67.51 134.56,64.51 142.14,64.51 142.26,64.63 R87.2
NetLED109_1: length 0.9
  SIG_TOP w0.2: R80.1 200.69,49.07 200.66,49.09
NetLED109_3: length 29.8
  SIG_TOP w0.2: R88.2 184.4,47.71 183.41,46.72 183.41,42.99 184.4,42.01 186.5,42.01 194.1,49.61 195.3,49.61 197.4,51.71 201.49,51.71 201.61,51.59 201.61,50.04
NetLED110_1: length 1
  SIG_TOP w0.2: R81.1 39.03,32 LED110.1
NetLED110_3: length 21
  SIG_TOP w0.2: 39.92,32.9 39.92,34.03 40.1,34.21 41.9,34.21 42.4,33.71 45.7,33.71 49.5,29.91 56.58,29.91 56.89,30.21 R89.2
NetLED111_1: length 0.8
  SIG_TOP w0.2: 209.7,31.21 209.72,31.22 209.72,32.02 209.73,32.03
NetLED111_3: length 32.8
  SIG_TOP w0.15: 236.41,32.29 237.61,32.29 238.8,31.11 238.8,30.53 238.93,30.41 239.96,30.41 240.08,30.52 240.08,31.11
  SIG_TOP w0.2: LED111.3 210.63,33.61 211.23,34.21 212.48,34.21 213.28,33.41 215.9,33.41 216.5,32.81 235.9,32.81 236.41,32.29
NetLED113_1: length 0.9
  SIG_TOP w0.2: 29.93,14.93 29.97,14.89 29.97,14.15 30,14.11
NetLED113_3: length 29.5
  SIG_TOP w0.2: 30.87,15.88 30.87,17.23 30.5,17.61 26.7,17.61 22.42,13.33 21.42,13.33 16.1,8.01 13.22,8.01 13.1,8.12 13.1,11.81 13.69,12.4 13.69,14.11
NetLED114_1: length 1
  SIG_TOP w0.2: 80.9,104.28 81.1,104.08 81.1,103.47 R84.1
NetLED114_3: length 20.5
  SIG_TOP w0.15: 97.69,102.82 97.69,104.12 97.34,104.47 96,104.47
  SIG_TOP w0.2: LED114.3 82.03,105.86 82.28,106.11 83.8,106.11 84.3,105.61 87,105.61 88.13,104.47 96,104.47 ; R92.2 99.04,102.82 98.92,102.71 97.81,102.71 97.69,102.82
NetLED115_1: length 1
  SIG_TOP w0.2: R85.1 251.9,104.25 251.82,104.33
NetLED115_3: length 48.2
  SIG_TOP w0.2: 244.16,82.31 244.16,81.37 243.5,80.71 243.5,76.71 244.2,76.01 246.2,76.01 257.9,87.71 257.9,92.91 255.4,95.41 255.4,105.71 254.9,106.21 252.82,106.21 252.7,106.09 252.7,105.28
NetLED116_1: length 0.9
  SIG_TOP w0.2: 81.13,83.13 81.11,83.11 81.11,82.3 R86.1
NetLED116_3: length 30.3
  SIG_TOP w0.2: 82.07,84.08 82.07,85.53 81.9,85.71 78.4,85.71 73.94,81.25 72.26,81.25 66.92,75.91 64.5,75.91 63.81,76.6 63.81,80.21 64.89,81.29 R94.2
NetLED117_1: length 1
  SIG_TOP w0.2: R87.1 141.47,66.15 LED117.1
NetLED117_3: length 20.7
  SIG_TOP w0.15: 159.24,65.21 159.24,64.79 159.15,64.71 158.34,64.71 157.95,65.09 157.95,66.28 157.86,66.37 156.24,66.37
  SIG_TOP w0.2: 159.24,65.21 R95.2 ; 156.24,66.37 149.04,66.37 148,67.41 144.7,67.41 143.7,68.41 142.7,68.41 142.47,68.18 142.47,67.31 LED117.3
NetLED118_1: length 0.9
  SIG_TOP w0.2: 183.54,49.03 183.61,48.95 183.61,48.22 ; 183.6,48.22 R88.1
NetLED118_3: length 29.3
  SIG_TOP w0.2: 184.47,49.98 184.35,50.11 184.35,51.36 184.2,51.51 180.1,51.51 170.4,41.81 167.3,41.81 166.9,42.21 166.9,46.89 167.33,47.32 R96.2
NetLED119_1: length 0.9
  SIG_TOP w0.2: 56.1,31.11 56.07,31.15 56.07,31.89 56.03,31.93